# Altium PCB Thermostat.PCBDOC (part 2 of 5) (continued)
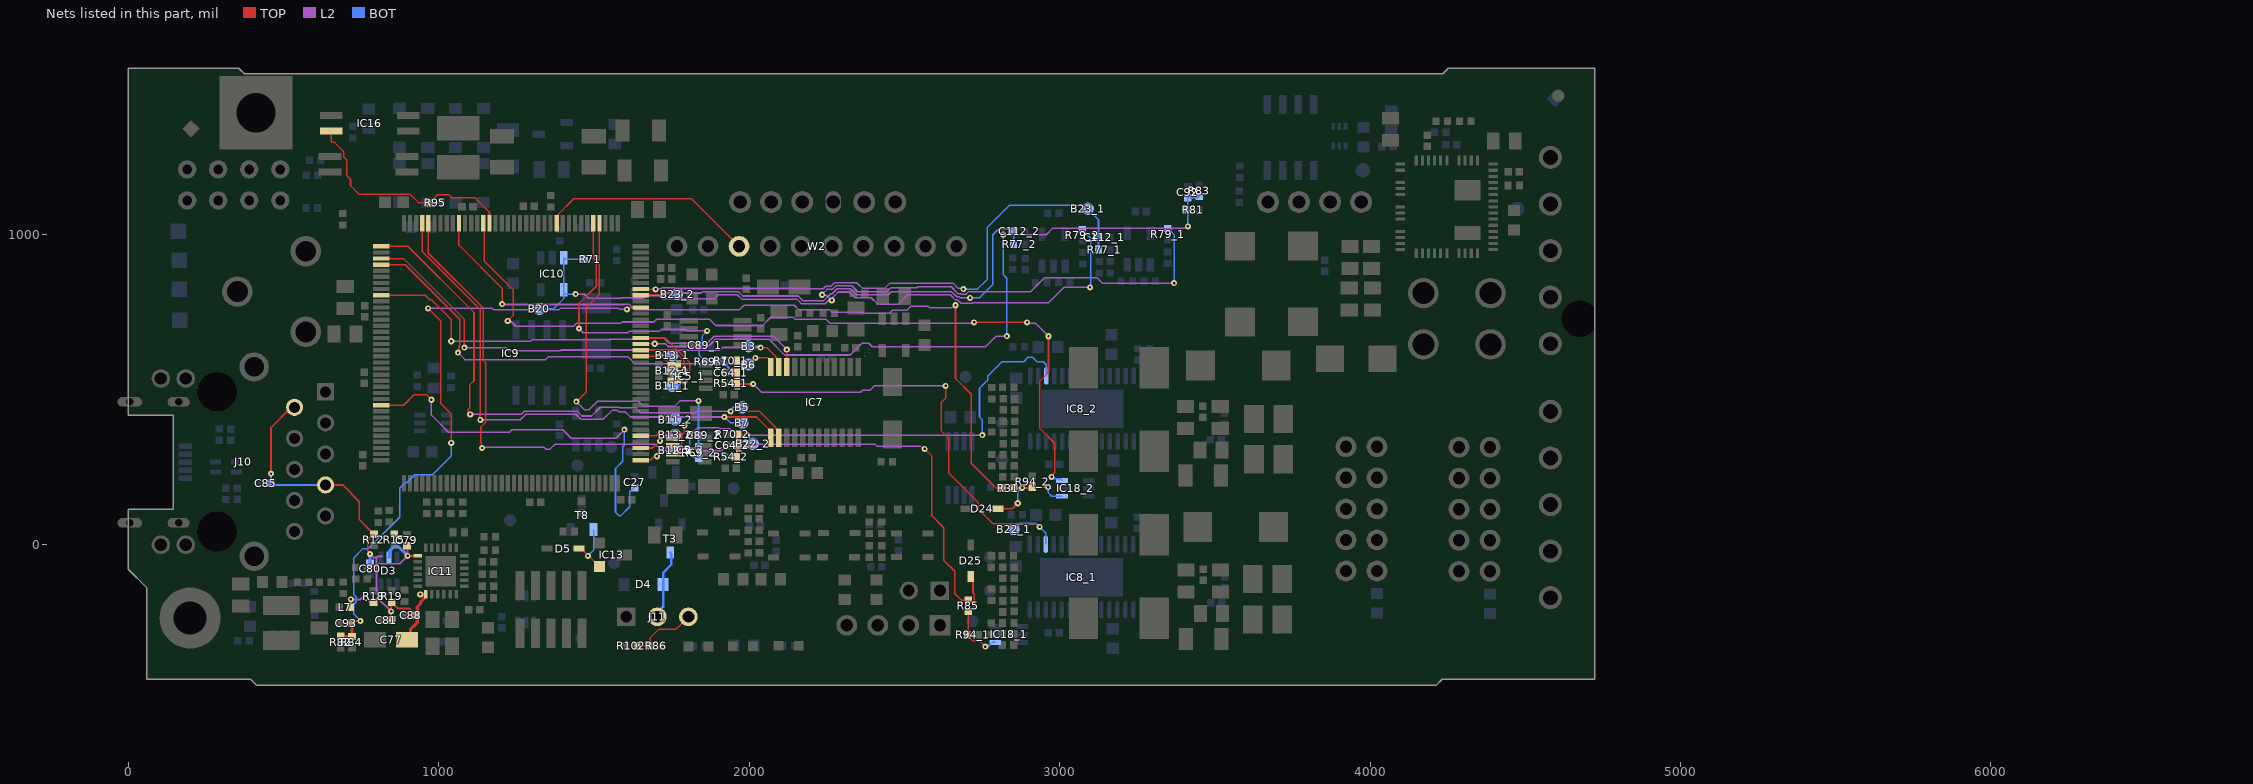
[diagram p4: the nets of this part, all layers, seen from the top]
## Part data (continued)
R73: library part R0603_24K_1%_0.1W_100PPM, "Resistor - 1%", Case=0603, Manufacturer=GENERIC, Manufacturer1 ComponentHeight=0.55mm, Manufacturer1 Example="NIC COMPONENT", Manufacturer1 Part Number=NRC06F2402TRF, Power=0.1W, Tolerance=±1%, Author="CERN DEM JLC", Component Type=Standard, CreateDate=03.12.2007, HelpURL=\\cern.ch\dfs\Applications\Altium\Datasheets\R0603_NIC_NRC.pdf, LatestRevisionDate=13.03.2008, Manufacturer Part Number=R0603_24K_1%_0.1W_100PPM, Mounted=Yes, Part Description="General Purpose Thick Film Chip Resistor", Part Number=R0603_24K_1%_0.1W_100PPM, Pin Count=2, Sense=No, SMD=Yes, Socket=No, Status=Preferred, TC=±100ppm/°C
R76_1 R76_2 R78_1 R78_2 R146: library part R0402_20K_1%_0.0625W_100PPM, "Resistor - 1%", Case=0402, Manufacturer=GENERIC, Manufacturer1 ComponentHeight=0.4mm, Manufacturer1 Example="YAGEO PHYCOMP", Manufacturer1 Part Number=232270672003L, Power=0.0625W, Tolerance=±1%, Author="CERN DEM JLC", Component Type=Standard, CreateDate=03.12.2007, HelpURL=\\cern.ch\dfs\Applications\Altium\Datasheets\R0402_Phycomp_RC0402.pdf, LatestRevisionDate=17.10.2012, Manufacturer Part Number=R0402_20K_1%_0.0625W_100PPM, Mounted=Yes, Part Description="General Purpose Thick Film Chip Resistor", Part Number=R0402_20K_1%_0.0625W_100PPM, Pin Count=2, PressFit=No, Sense=No, SMD=Yes, Socket=No, Status="Not Recommended", TC=±100ppm/°C
R89 R93: library part R0402_33K_1%_0.0625W_100PPM, "Resistor - 1%", Case=0402, Manufacturer=GENERIC, Manufacturer1 ComponentHeight=0.4mm, Manufacturer1 Example="YAGEO PHYCOMP", Manufacturer1 Part Number=232270673303L, Power=0.0625W, Tolerance=±1%, Author="CERN DEM JLC", Component Type=Standard, CreateDate=03.12.2007, HelpURL=\\cern.ch\dfs\Applications\Altium\Datasheets\R0402_Phycomp_RC0402.pdf, LatestRevisionDate=17.10.2012, Manufacturer Part Number=R0402_33K_1%_0.0625W_100PPM, Mounted=Yes, Part Description="General Purpose Thick Film Chip Resistor", Part Number=R0402_33K_1%_0.0625W_100PPM, Pin Count=2, PressFit=No, Sense=No, SMD=Yes, Socket=No, Status="Not Recommended", TC=±100ppm/°C
R94_1 R94_2: library part R0402_200K_1%_0.0625W_100PPM, "Resistor - 1%", Case=0402, Manufacturer=GENERIC, Manufacturer1 ComponentHeight=0.4mm, Manufacturer1 Example="YAGEO PHYCOMP", Manufacturer1 Part Number=232270672004L, Power=0.0625W, Tolerance=±1%, Author="CERN DEM JLC", Component Type=Standard, CreateDate=03.12.2007, HelpURL=\\cern.ch\dfs\Applications\Altium\Datasheets\R0402_Phycomp_RC0402.pdf, LatestRevisionDate=17.10.2012, Manufacturer Part Number=R0402_200K_1%_0.0625W_100PPM, Mounted=Yes, Part Description="General Purpose Thick Film Chip Resistor", Part Number=R0402_200K_1%_0.0625W_100PPM, Pin Count=2, PressFit=No, Sense=No, SMD=Yes, Socket=No, Status="Not Recommended", TC=±100ppm/°C
R104: library part R0402_10k_1%_0.0625W_100PPM, "Resistor - 1%", Case=0402, Manufacturer=GENERIC, Manufacturer1 ComponentHeight=0.4mm, Manufacturer1 Example="YAGEO PHYCOMP", Manufacturer1 Part Number=232270671003L, Manufacturer Part Number=R0402_10K_1%_0.0625W_100PPM, Power=0.0625W, Tolerance=±1%, Author="CERN DEM JLC", Component Type=Standard, CreateDate=03.12.2007, HelpURL=\\cern.ch\dfs\Applications\Altium\Datasheets\R0402_Phycomp_RC0402.pdf, LatestRevisionDate=17.10.2012, Mounted=Yes, Part Description="General Purpose Thick Film Chip Resistor", Part Number=R0402_10K_1%_0.0625W_100PPM, Pin Count=2, PressFit=No, Sense=No, SMD=Yes, Socket=No, Status="Not Recommended", TC=±100ppm/°C
R106 R119 R120 R121: library part R0402_2K2_1%_0.0625W_100PPM, "Resistor - 1%", Case=0402, Manufacturer=GENERIC, Manufacturer1 ComponentHeight=0.4mm, Manufacturer1 Example="YAGEO PHYCOMP", Manufacturer1 Part Number=232270672202L, Power=0.0625W, Tolerance=±1%, Author="CERN DEM JLC", Component Type=Standard, CreateDate=03.12.2007, HelpURL=\\cern.ch\dfs\Applications\Altium\Datasheets\R0402_Phycomp_RC0402.pdf, LatestRevisionDate=17.10.2012, Manufacturer Part Number=R0402_2K2_1%_0.0625W_100PPM, Mounted=Yes, Part Description="General Purpose Thick Film Chip Resistor", Part Number=R0402_2K2_1%_0.0625W_100PPM, Pin Count=2, Sense=No, SMD=Yes, Socket=No, Status="Not recommended", TC=±100ppm/°C
R107_1 R107_2: library part R0402_0R_JUMPER, "Resistor", Case=0402, Manufacturer=GENERIC, Manufacturer1 ComponentHeight=0.4mm, Manufacturer1 Example="YAGEO PHYCOMP", Manufacturer1 Part Number=232270591001L, Author="CERN DEM JLC", Component Type=Standard, CreateDate=03.12.2007, HelpURL=\\cern.ch\dfs\Applications\Altium\Datasheets\R0402_Phycomp_RC0402.pdf, LatestRevisionDate=17.10.2012, Manufacturer Part Number=R0402_0R_JUMPER, Mounted=Yes, Part Description="1A (0.05R Max DC Resistance) Zero Ohm Jumper", Part Number=R0402_0R_JUMPER, Pin Count=2, PressFit=No, Sense=No, SMD=Yes, Socket=No, Status="Not Recommended"
R109 R110: library part R0603_0R_JUMPER, "Resistor", Case=0603, Manufacturer=GENERIC, Manufacturer1 ComponentHeight=0.55mm, Manufacturer1 Example="NIC COMPONENT", Manufacturer1 Part Number=NRC06Z0, Author="CERN DEM JLC", Component Type=Standard, CreateDate=03.12.2007, HelpURL=\\cern.ch\dfs\Applications\Altium\Datasheets\R0603_NIC_NRC.pdf, LatestRevisionDate=13.03.2008, Manufacturer Part Number=R0603_0R_JUMPER, Mounted=Yes, Part Description="1A (0.05R Max DC Resistance) Zero Ohm Jumper", Part Number=R0603_0R_JUMPER, Pin Count=2, PressFit=No, Sense=No, SMD=Yes, Socket=No, Status=Preferred
R135: library part R0603_1M_1%_0.1W_100PPM, "Resistor - 1%", Case=0603, Manufacturer=GENERIC, Manufacturer1 ComponentHeight=0.55mm, Manufacturer1 Example="NIC COMPONENT", Manufacturer1 Part Number=NRC06F1004TRF, Power=0.1W, Tolerance=±1%, Author="CERN DEM JLC", Component Type=Standard, CreateDate=03.12.2007, HelpURL=\\cern.ch\dfs\Applications\Altium\Datasheets\R0603_NIC_NRC.pdf, LatestRevisionDate=13.03.2008, Manufacturer Part Number=R0603_1M_1%_0.1W_100PPM, Mounted=Yes, Part Description="General Purpose Thick Film Chip Resistor", Part Number=R0603_1M_1%_0.1W_100PPM, Pin Count=2, PressFit=No, Sense=No, SMD=Yes, Socket=No, Status=Preferred, TC=±100ppm/°C
R166: library part R0805_10R_1%_0.125W_200PPM, "Resistor - 1%", Case=0805, Manufacturer=GENERIC, Manufacturer1 ComponentHeight=0.6mm, Manufacturer1 Example="NIC COMPONENT", Manufacturer1 Part Number=NRC10F10R0TRF, Power=0.125W, Tolerance=±1%, Author="CERN DEM JLC", Component Type=Standard, CreateDate=03.12.2007, HelpURL=\\cern.ch\dfs\Applications\Altium\Datasheets\R0805_NIC_NRC.pdf, LatestRevisionDate=24.06.2009, Manufacturer Part Number=R0805_10R_1%_0.125W_200PPM, Mounted=Yes, Part Description="General Purpose Thick Film Chip Resistor", Part Number=R0805_10R_1%_0.125W_200PPM, Pin Count=2, PressFit=No, Sense=No, SMD=Yes, Socket=No, Status=Preferred, TC=±200ppm/°C
R168: library part R0603_220R_1%_0.1W_100PPM, "Resistor - 1%", Case=0603, Manufacturer=GENERIC, Manufacturer1 ComponentHeight=0.55mm, Manufacturer1 Example="NIC COMPONENT", Manufacturer1 Part Number=NRC06F2200TRF, Power=0.1W, Tolerance=±1%, Author="CERN DEM JLC", Component Type=Standard, CreateDate=03.12.2007, HelpURL=\\cern.ch\dfs\Applications\Altium\Datasheets\R0603_NIC_NRC.pdf, LatestRevisionDate=13.03.2008, Manufacturer Part Number=R0603_220R_1%_0.1W_100PPM, Mounted=Yes, Part Description="General Purpose Thick Film Chip Resistor", Part Number=R0603_220R_1%_0.1W_100PPM, Pin Count=2, Sense=No, SMD=Yes, Socket=No, Status=Preferred, TC=±100ppm/°C
SCREW1 SCREW2: library part "Screw_#6 x 3/8”", "100pcs of #6 x 3/8” TTT - thread rolling, steel screws with a #4 flat head phillips drive", Manufacturer=HAMMOND, Manufacturer Part Number="1455MS100BK (100pcs)", Part Number=HAMMOND_1455MS100BK_v, Author=GK, Component Type=Mechanical, ComponentHeight=11.1mm, CreateDate=26.06.2013, HelpURL=\\cern.ch\dfs\Applications\Altium\Datasheets\BOSSARD_BN5687-3061616.pdf, LatestRevisionDate=26.06.2013, Mounted=Yes, PackageDescription="#6 x 3/8” TTT - thread rolling, steel screws with a #4 flat head phillips drive", Part Description="#6 x 3/8” TTT - thread rolling, steel screws with a #4 flat head phillips drive", Pin Count=0, PressFit=No, Sense=No, SMD=No, Socket=No, Status=None
ST2: library part SCHROFF_PANEL_3U_4HP_Thermostat, "Schroff 3HP 4U EUROCARD Panel", Manufacturer=Schroff, Manufacturer Part Number=20818-017, Manufacturer Part Number 2=20848-664
T1: "-30V -19.7A P-Channel MOSFET", Case=SOIC8, Manufacturer="VISHAY SILICONIX", Author="CERN DEM MR", Bonding=No, ComponentHeight=1.75mm, Component Type=Standard, CreateDate=05/10/2016, Device=SI4425DDY-T1-GE3, HelpURL=\\cern.ch\dfs\Applications\Altium\Datasheets\SI4425DDY-T1-GE3.pdf, LatestRevisionDate=05/10/2016, Manufacturer Part Number=SI4425DDY-T1-GE3, Mounted=Yes, PackageDescription="SOIC 8, Pitch 1.27mm - Body 4x5mm, IPC Medium Density", Part Description="-30V -19.7A P-Channel MOSFET", Part Number=SI4425DDY-T1-GE3, Pin Count=8, PressFit=No, Sense=No, SMD=Yes, Socket=No
T2: "45V, 100mA PNP General Purpose Double Transistor", Case=SOT666, Manufacturer="NXP SEMICONDUCTORS", Author="CERN DEM JLC", Bonding=No, ComponentHeight=0.6mm, Component Type=Standard, CreateDate=01/12/2011, Device=BC857BV, HelpURL=\\cern.ch\dfs\Applications\Altium\Datasheets\BC857BV.pdf, LatestRevisionDate=01/12/2011, Manufacturer Part Number=BC857BV, Mounted=Yes, PackageDescription="SOTFL (SOT666), 0.50mm, Pitch; 6 Pin, 1.20mm W X 1.60mm L X 0.60mm H Body, IPC Medium Density", Part Description="-45V -100mA PNP General Purpose Double Transistor", Part Number=BC857BV, Pin Count=6, PressFit=No, Sense=No, SMD=Yes, Socket=No
T3: "50V, 180mA P-Channel Trench MOSFET", Case=SOT23-3, Manufacturer="NXP SEMICONDUCTORS", Author="CERN DEM JLC", Bonding=No, Component Type=Standard, ComponentHeight=1.1mm, CreateDate=16.04.2015, Device=BSS84AK, HelpURL=\\cern.ch\dfs\Applications\Altium\Datasheets\BSS84AK.pdf, LatestRevisionDate=16.04.2015, Manufacturer Part Number=BSS84AK, Mounted=Yes, PackageDescription="SOT23, 0.95mm Pitch; 3 Pin, 1.30mm W X 2.90mm L X 1.10mm H body, IPC Medium Density", Part Description="50V, 180mA P-channel Trench MOSFET Transistor", Part Number=BSS84AK, Pin Count=3, PressFit=No, Sense=No, SMD=Yes, Socket=No
T4 T7 T8: "N-CHANNEL MOSFET WITH DIODE", Case=SOT23-3, Manufacturer="ON SEMICONDUCTOR", Bonding=No, Component Type=Standard, Mounted=Yes, Pin Count=3, PressFit=No, Sense=No, SMD=Yes, Socket=No
  T4 T8: Author="CERN DEM JLC", ComponentHeight=1.11mm, CreateDate=23.03.2009, Device=BSS138LT1G, HelpURL=\\cern.ch\dfs\Applications\Altium\Datasheets\BSS138LT1G.pdf, LatestRevisionDate=23.03.2009, Manufacturer Part Number=BSS138LT1G, PackageDescription="SOT23 3-Leads, Pitch 0.95mm - Body 1.4x3mm, IPC Medium Density", Part Description="50V 200mA N-Channel Enhancement Mode Field-Effect Transistor", Part Number=BSS138LT1G
  T7: Author="CERN DEM BC", ComponentHeight=1.12mm, ComponentLink1Description="Package Drawing", ComponentLink1URL=\\cern.ch\dfs\Applications\Altium\Datasheets\FDN86246_Package.pdf, CreateDate=10.10.2019, Device=FDN86246, HelpURL=\\cern.ch\dfs\Applications\Altium\Datasheets\FDN86246.pdf, LatestRevisionDate=10.10.2019, Manufacturer Part Number=FDN86246, PackageDescription="SOT, 0.95mm, pitch; 3 pin,1.30mm W X 2.92mm L X 1.12mm H body, IPC Medium Density", Part Description="150V 1.6A N-Channel Power Trench® MOSFET", Part Number=FDN86246
TP1 TP2: "Testpoint"
TP7 TP10 TP11 TP17: library part SMD_PAD_1.27X1.27MM, Author="CERN DEM JLC", ComponentHeight=0mm, Component Type="Standard (No BOM)", CreateDate=12.01.2008, Family="Test Point", HelpURL=Undefined, LatestRevisionDate=12.01.2008, Mounted=No, PackageDescription="1.27mm x 1.27mm PCB Copper Area (SMD Test Point)", Part Description="1.27mm x 1.27mm PCB Copper Area (SMD Test Point)", Part Number=SMD_PAD_1.27X1.27MM, Pin Count=1, Sense=No, SMD=Yes, Socket=No, Status=None
W1: library part SAMTEC_HTSW-104-23-L-S, "4 Mini Wire-Wrap Contact Strip Header", Manufacturer=SAMTEC, Manufacturer Part Number=HTSW-104-23-L-S, Author="CERN DEM JLC", ComponentHeight=8.38mm, Component Type=Standard, CreateDate=22/02/2018, Family="Header 4", HelpURL=\\cern.ch\dfs\Applications\Altium\Datasheets\SAMTEC_HTSW-104-23-L-S.pdf, LatestRevisionDate=22/02/2018, Mounted=Yes, Part Description="4 Contacts, Pitch 2.54mm, Single Row  Through Mount Straight Header (Post Lead 5.84mm, Tail Lead 2.92mm, Insulator 2.54mm)", Part Number=SAMTEC_HTSW-104-23-L-S, Pin Count=4, PressFit=No, Sense=No, SMD=No, Socket=No, Status=Preferred, Status Comment="High Temperature"
W2: library part SAMTEC_MTLW-110-07-L-S-250, "10 Mini Wire-Wrap Contact Strip Header", Manufacturer=SAMTEC, Manufacturer Part Number=MTLW-110-07-L-S-250, Author="CERN DEM JLC", ComponentHeight=7.87mm, Component Type=Standard, CreateDate=01.11.2017, Family="Header 10", HelpURL=\\cern.ch\dfs\Applications\Altium\Datasheets\SAMTEC_MTLW-110-07-L-S-250.pdf, LatestRevisionDate=01.11.2017, Mounted=Yes, Part Description="10 Contacts, Pitch 2.54mm, Single Row Through Mount Straight Header (Post Lead = 6.35mm, Tail Lead 3.05mm, Insulator 1.52mm)", Part Number=SAMTEC_MTLW-110-07-L-S-250, Pin Count=10, PressFit=No, Sense=No, SMD=No, Socket=No, Status=None
NT1 NT2 NT3: Author="CERN DEM JLC", ComponentHeight=0mm, Component Type="Net Tie", CreateDate=22.03.2011, Family="Net Tie", HelpURL=Undefined, LatestRevisionDate=22.03.2011, Mounted=No, PackageDescription="2 Plated Through Hole For Coaxial Cable Link: Hole Dia.=1.4mm Pad Dia.=2.5mm", Part Description="Net Tie (2 Nets)", Part Number="Net Tie", Pin Count=2, Sense=No, SMD=No, Socket=No, Status=None

## Via types
v1: diameter 19.68, hole 7.87, TOP to BOT, tented both sides, 555 vias
v2: diameter 23.62, hole 11.81, TOP to BOT, tented both sides, 72 vias
v3: diameter 23.62, hole 15.75, TOP to BOT, tented both sides, 63 vias
v4: diameter 25.98, hole 12.99, TOP to BOT, tented both sides, 5 vias

## Nets (pads, with @x,y where several pads share a name; then routed paths per layer and width w, separated by ;. In a path a pad name is that pad's centre, name@x,y a point inside that pad or via, vN(x,y) a via of type N, cw(c..) or ccw(c..) an arc to the next point about the centre after c; other vN are vias at no path point)
\S\H\D\N\0: IC9.63 R31.2 | length 2479.8
  TOP w5: IC9.63@1064.96,1035.43 1064.96,965.45 1203.86,826.55 1203.86,776.04 v1@1203.13,775.32 ; v1(2664.5,771.71) 2664.5,535.74 2715.24,485 2715.24,263.05 2786.39,191.9 ; 2786.42,191.93 2795.28,183.07 R31.2@2815.16,183.07
  L2 w5: v1(1203.86,775.32) 1205.01,774.16 1597.39,774.16 1598.82,775.59 1613.18,775.59 1630.8,757.97 1969.89,757.97 1983.51,771.59 2145.42,771.59 2160.15,756.85 2259.86,756.85 2267.64,749.08 2364.56,749.08 2367.55,746.09 2452.41,746.09 2461.9,755.59 2508.47,755.59 2521.47,768.59 2576.33,768.59 2580.7,764.21 2653.03,764.21 2659.9,771.08 v1@2664.46,771.08
\S\H\D\N\0R: D24.2 IC18_2.1 R31.1 R94_2.1 | length 347.4
  TOP w5: D24.2@2801.18,116.14 2847.44,116.14 v1(2865.16,133.86) ; R31.1@2852.17,183.07 R94_2.1@2910.97,183.07 ; v1(2878.94,184.06) 2910.97,184.06 R94_2.1@2912.09,185.18 2912.94,186.02 v1(2962.72,186.02)
  BOT w5: v1(2865.16,133.86) 2865.16,170.28 v1(2878.94,184.06) ; v1@2970.48,182.24 2966.7,186.02 v1(2962.72,186.02) 2962.72,168.35 2974.42,156.65 IC18_2.1@3007.69,156.65
\S\H\D\N\1: IC9.68 R85.2 | length 2825.1
  TOP w5: IC9.68@966.54,1035.43 966.54,939.16 1143.92,761.78 1143.92,593.06 1151.26,585.72 1151.26,395.42 1135.67,379.84 1135.67,328.48 1136.95,327.21 1136.95,314.82 v1(1139.76,312.01) ; v1(2565,309.24) 2588.42,285.83 2588.42,93.87 2626.97,55.31 2626.97,-50.15 2662.22,-85.39 2662.22,-157.29 2682.79,-177.86 R85.2@2705.71,-177.86
  L2 w5: v1(1139.76,312.01) 1142.42,314.67 1338.08,314.67 1344.26,308.48 1358.63,308.48 1373.65,323.5 1699.21,323.5 1709.94,312.77 1838.97,312.77 1847.84,303.9 1912.18,303.9 1932.87,324.59 2405.18,324.59 2411.45,318.32 2551.95,318.32 2561.03,309.24 v1(2565,309.24)
\S\H\D\N\1R: D25.2 IC18_1.1 R85.1 R94_1.1 | length 310.1
  TOP w5: D25.2@2713.52,-102.17 2720.86,-109.51 2720.86,-154.39 2725.41,-158.94 2725.41,-195.95 2706.5,-214.87 R85.1@2705.71,-214.87 2705.71,-294.89 2719.14,-308.33 2722.71,-308.33 2723.84,-309.46 2742.23,-309.46 v1(2760.66,-327.89)
  BOT w5: v1@2763,-326.76 2764.67,-325.08 2771.26,-325.08 2782.18,-314.17 IC18_1.1@2793,-314.17
ADC3_IN6: C92.1 IC9.20 R81.1 R83.1 | length 2317
  TOP w5: IC9.20@1650.59,646.65 1651.08,647.14 1695.36,647.14 v1(1695.85,647.64)
  L2 w5: v1(1695.85,647.64) 1729.72,647.64 1738.36,639 1868.41,639 1891.44,662.03 2063.45,662.03 2113.88,611.59 2325.32,611.59 2363.31,649.59 2385.4,649.59 2396.54,638.45 2760.8,638.45 2794.59,672.24 v1(2829.91,672.24) ; v1(2818.38,999.06) 2956.44,999.06 2976.6,1019.22 3406.48,1019.22 v1(3413.02,1025.76)
  BOT w5: v1(2818.38,999.06) 2818.38,870.59 2829.91,859.06 v1(2829.91,672.24) ; v1(3413.02,1025.76) 3413.02,1078.32 R81.1@3412.6,1078.74 3412.6,1116.78 C92.1@3411.96,1117.42 3445.01,1117.42 R83.1@3449.61,1122.02
ADC3_IN10: C93.1 IC9.26 R82.2 R84.1 | length 2035.5
  TOP w5: C93.1@719.49,-251.97 726.18,-245.28 v1(747.64,-245.28) ; v1(965.55,761.87) 1007.05,720.37 1007.05,454.81 1040.12,421.74 v1(1040.12,328.65) ; v1(1606,758.24) 1607.22,758.24 1612.29,763.32 1649.14,763.32 IC9.26@1650.59,764.76
  TOP w10: R82.2@684.05,-294.49 684.55,-294.98 R84.1@719.98,-294.98 ; C93.1@719.49,-251.97 719.98,-252.46 R84.1@719.98,-294.98 ; R84.1@719.98,-294.98 R84.1@720.47,-295.47 R84.1@719.98,-294.98
  L2 w5: v1(965.55,761.87) 1171.24,761.87 1175.14,757.97 1387.46,757.97 1392.07,762.59 1578.18,762.59 1582.53,758.24 v1(1606,758.24)
  BOT w5: v1(747.64,-245.28) 747.64,-244.43 726,-222.79 726,-191.37 734.46,-182.91 734.46,-168.54 726,-160.08 726,-42.07 755.91,-12.16 773.27,-12.16 874.25,88.81 874.25,182.59 891.73,200.08 896.75,200.08 922.44,225.77 979.71,225.77 1040.12,286.17 v1(1040.12,328.65)
ADC3_IN12: B23_2.1 C112_2.2 IC9.28 R77_2.2 | length 1527
  TOP w5: IC9.28@1650.59,804.13 1651.95,805.49 1719.88,805.49 1725.64,811.24 v1(1726,811.24)
  L2 w5: v1(1726,811.24) 1845.41,811.24 1849.83,815.66 1965.62,815.66 1979.7,801.59 2157.85,801.59 2172.58,786.85 2240.69,786.85 2262.56,808.73 2267.62,808.73 2283.44,824.55 2326.37,824.55 2345.34,805.59 2447.82,805.59 2457.82,815.59 2651.83,815.59 2668.36,799.06 2675.83,799.06 2679.61,795.28 v1(2711.61,795.28)
  BOT w5: v1(1726,811.24) 1727.91,809.34 1765.61,809.34 B23_2.1@1767.52,807.43 ; v1(2711.61,795.28) 2741.14,795.28 2784.49,838.62 2784.49,999.06 2801.83,1016.41 2844.82,1016.41 2852.36,1008.86 2852.36,969.29 R77_2.2@2851.57,968.5
ADC3_IN13: B23_1.1 C112_1.2 IC9.29 R77_1.2 | length 1835.8
  TOP w5: IC9.29@1650.59,823.82 1651.08,823.33 1698.28,823.33 v1(1698.78,822.83)
  L2 w5: v1(1698.78,822.83) 1701.59,825.64 1715.87,825.64 1718.82,828.59 1758.51,828.59 1761.44,825.66 2193.43,825.66 2194.54,824.55 2213.52,824.55 2213.87,824.9 2238.7,824.9 2246.67,832.87 2263.48,832.87 2275.16,844.55 2346.32,844.55 2365,825.87 2436.17,825.87 2453.67,843.37 2656.14,843.37 2672.82,826.69 2687.28,826.69 v1(2690.09,823.88)
  BOT w5: v1(2690.09,823.88) 2735.59,823.88 2766.73,855.02 2766.73,1022.64 2837.6,1093.51 2978.59,1093.51 2983.4,1093.5 3078.81,1093.51 3125.2,1047.12 3125.2,1025.76 R77_1.2@3125.2,950.79
ADC_CSn: B5.1 IC7.14 IC9.73 | length 1847.4
  TOP w5: IC9.73@813.98,961.61 900.11,961.61 1113.46,748.26 1113.46,528.64 1099.4,514.58 1099.4,440.29 1094.4,435.28 1094.4,423.25 1094.53,423.25 1097.46,420.32 v1(1101.43,420.32) ; v1(1940,430.12) 2033.52,430.12 2086.3,377.33 2086.3,374.6 2095.53,365.37 IC7.14@2095.53,344.7
  L2 w5: v1(1101.43,420.32) 1266.38,420.32 1277.1,431.04 1445.1,431.04 1461.17,414.97 1492.11,414.97 1520.31,443.17 1580.11,443.17 1582.23,441.04 1635.6,441.04 1650.87,425.78 1826.21,425.78 1830.55,430.12 v1(1940,430.12)
  BOT w5: v1@1938.98,433.07 1942.81,436.9 1948.82,442.91 B5.1@1978.35,442.91
ADC_DIN: B6.1 IC7.12 IC9.76 | length 1520.1
  TOP w5: IC9.76@813.98,902.56 891.81,902.56 1067.46,726.91 1067.46,644.32 1065.43,642.29 1065.43,632.98 1064.87,632.42 1064.87,621.91 v1(1062.06,619.1) ; v1(2019.78,602.41) 2059.25,602.41 2060.18,603.35 2069.94,593.59 IC7.12@2069.94,573.05
  L2 w5: v1@1062.06,617.77 1063.39,617.77 1084.33,596.83 1344.23,596.83 1352.77,605.37 1480.74,605.37 1481.25,605.88 1609.21,605.88 1632.2,582.89 2000.26,582.89 2019.62,602.25 2019.95,602.25 v1(2019.78,602.41)
  BOT w5: B6.1@2005.91,587.6 2005.91,588.56 v1(2019.78,602.41)
ADC_DOUT/RDYn: B3.1 IC7.11 IC9.75 | length 1542.5
  TOP w5: IC9.75@813.98,922.24 886.27,922.24 1082.77,725.74 v1(1082.77,635.11) ; v1(2037,635.51) 2056.48,635.51 2086.3,605.68 2086.3,602.95 2095.53,593.72 IC7.11@2095.53,573.05
  L2 w5: v1(1082.77,635.11) 1216.51,635.11 1226.24,625.37 1391.3,625.37 1393.51,627.58 1729.63,627.58 1729.86,627.34 1905.81,627.34 1914.18,635.72 2036.79,635.72 v1(2037,635.51)
  BOT w5: B3.1@1998.03,639.76 2028.77,639.76 2033.03,635.51 v1(2037,635.51)
ADC_IN9: IC9.47 W2.3 | length 698.2
  TOP w5: IC9.47@1379.92,1035.43 1384.31,1039.82 1384.31,1064.21 1434.78,1114.67 1615.88,1114.67 1615.99,1114.78 1814.35,1114.78 W2.3@1967.52,961.61
ADC_SCLK: B7.1 IC7.13 IC9.69 | length 1783.9
  TOP w5: IC9.69@946.85,1035.43 946.85,944.71 1133.46,758.09 1133.46,415.47 1130.12,412.12 v1@1130.12,408.15 ; v1(1920.28,411.8) 2023.51,411.8 2069.94,365.37 IC7.13@2069.94,344.7
  L2 w5: v1(1133.91,402.6) 1262.8,402.6 1281.24,421.04 1440.96,421.04 1457.03,404.97 1530.24,404.97 1558.44,433.17 1575.97,433.17 1580.16,428.98 1600.13,428.98 1617.3,411.8 v1(1920.28,411.8)
  BOT w5: v1@1919.29,413.39 1938.98,393.7 B7.1@1978.35,393.7
AT_EVENT: IC9.58 IC16.4 R95.1 | length 744.7
  TOP w5: IC16.4@653.54,1333.27 653.54,1299.15 656.47,1296.22 664.14,1296.22 691.79,1268.57 691.79,1267.43 693.52,1265.7 693.52,1249.79 703.52,1239.79 703.52,1190.01 715.71,1177.83 715.71,1157.22 743.38,1129.55 907.63,1129.55 934.82,1102.36 R95.1@970.67,1102.36 970.67,1103.15 979.59,1112.07 980.37,1112.07 995.88,1127.57 1032.72,1127.57 1041.96,1118.33 1116.49,1118.33 1163.39,1071.43 1163.39,1040.35 IC9.58@1165.35,1038.39
AVDDT_PHY: C77.1 C79.1 C80.2 C81.2 C85.2 C88.2 D3.5 IC11.1 IC11.19 J10.4 J10.9 L7.1 R12.2 R15.2 R18.1 R19.1 | length 1891.4
  TOP w6: v1(459.65,229.33) 459.65,377.57 525.19,443.11 J10.9@535.43,443.11 ; J10.4@635.43,193.11 690.42,193.11 744,139.53 744,81.59 R12.2@791.34,34.25 ; L7.1@715.94,-200.79 717.12,-199.62 v1(717.12,-175.72) ; 773.9,-176.43 781.39,-176.43 R18.1@789.8,-184.84 ; v1@775.96,-23.19 771.13,-18.36 771.13,14.83 R12.2@790.55,34.25 ; v1@846.46,-216.33 846.46,-240.16 C81.2@848.43,-242.13 ; v1@846.46,-212.8 846.46,-186.61 R19.1@848.22,-184.84 849.01,-184.84 869.73,-205.56 906.64,-205.56 918.94,-217.87 918.94,-218.16 C88.2@928.15,-227.36 C88.2@930.74,-224.78 ; R15.2@856.64,35.17 857.43,35.17 886.27,6.32 888.43,6.32 C79.1@897.64,-2.88 899.61,-4.85 v1(899.61,-35.43) IC11.19@932.09,-35.43 ; C77.1@897.64,-306.1 900.72,-306.1 C77.1@922.33,-284.5
  TOP w10: C77.1@897.64,-306.1 908.81,-294.93 908.81,-272.35 930.74,-250.43 930.74,-224.78 930.74,-200.16 941.82,-189.07 941.82,-183.38 957.68,-167.52 IC11.1@957.68,-159.45 v1(940.56,-159.45)
  L2 w6: v1(717.12,-175.72) 747.64,-175.72 753.83,-169.53 ; v1(764.8,-171.75) 768.5,-171.75 778.07,-181.31 791.13,-181.31 802.17,-170.28 ; v1(778.58,-29.51) 789.82,-40.75 799.8,-40.75 ; 815.94,-35.01 813.33,-37.63 802.92,-37.63 799.8,-40.75 ; v1(846.46,-214.57) 802.17,-170.28 ; v1(899.61,-35.43) 874.01,-61.03 799.8,-61.03 ; 799.8,-61.03 799.8,-40.75 ; 799.8,-61.03 799.8,-145.19 802.17,-147.55 802.17,-170.28
  BOT w6: v1(459.65,229.33) 459.65,199.98 C85.2@460.8,198.82 466.51,193.11 J10.4@635.43,193.11
  BOT w10: C80.2@778.58,-60.05 v1(778.58,-29.51) ; D3.5@839.35,-40.84 842.22,-37.97 842.22,-18.56 855.2,-5.59 870.4,-5.59 899.61,-34.79 v1(899.61,-35.43)
CLKIO: IC7.10 IC9.81 | length 1503.1
  TOP w5: IC9.81@813.98,804.13 956.33,804.13 971.25,789.21 976.88,789.21 1040.12,725.97 v1(1040.12,655.98) ; v1(2121.06,628.94) 2121.06,573.11 IC7.10@2121.12,573.05
  L2 w5: v1(1040.12,655.98) 1295.5,655.98 1299.58,660.06 1550.99,660.06 1553.83,662.9 1639.14,662.9 1641.21,664.98 1726.51,664.98 1742.5,649 1864.27,649 1887.3,672.03 2077.97,672.03 v1(2121.06,628.94)
CPU_ADC_REF: B20.1 IC10.3 IC10.4 R71.2 R79_1.1 R79_2.1 | length 3717.4
  L2 w5: v1@1433.21,807.43 v1(1440.94,807.43) 1468.75,807.43 1482.01,794.16 1589.11,794.16 1590.53,795.59 1621.47,795.59 1622.89,794.16 1659.72,794.16 1668.21,802.66 1710.06,802.66 1719.35,793.37 1888.38,793.37 1900.67,805.66 1961.48,805.66 1975.56,791.59 2153.71,791.59 2168.44,776.85 2245.22,776.85 v1@2260.8,792.44 ; v1(2234.97,805.66) 2234.97,807.03 2250.81,822.87 2267.62,822.87 2279.3,834.55 2330.52,834.55 2349.48,815.59 2443.67,815.59 2453.67,825.59 2454.44,825.59 2457.19,828.34 2540.51,828.34 2543.26,831.1 2650.46,831.1 2672.5,809.06 2680.39,809.06 2682.91,806.54 2697.28,806.54 2706.61,815.87 2907.04,815.87 2951.24,860.07 3120.32,860.07 3137.17,843.21 v1(3368.63,843.21) ; v1@2268.62,795.59 2287.58,814.55 2322.23,814.55 2341.19,795.59 2392.97,795.59 2412.97,775.59 2480.87,775.59 2510.87,805.59 2647.69,805.59 2664.22,789.06 2671.68,789.06 2682.81,777.93 2718.8,777.93 2720.62,779.76 2964.11,779.76 3013.81,829.47 v1(3097.78,829.47)
  BOT w5: B20.1@1323.82,760.15 1369.81,760.15 1403.13,793.46 IC10.4@1403.13,807.93 ; v1(1440.94,807.43) 1421.93,807.43 1422.44,807.93 IC10.4@1403.13,807.93 ; R71.2@1469.03,920.65 1407.24,920.65 IC10.3@1403.13,924.77 IC10.4@1403.13,822.41 IC10.4@1403.13,807.93 ; v1(2234.97,805.66) 2236.5,804.13 2247.97,804.13 2264.85,787.24 v1(2266,787.24) ; R79_2.1@3072.83,1015.55 3073.62,1015.55 3082.54,1006.63 3082.54,1005.85 3100.39,987.99 3100.39,832.08 v1(3097.78,829.47) ; R79_1.1@3348.43,1019.49 3349.21,1019.49 3358.13,1010.57 3358.13,1009.78 3368.63,999.28 v1(3368.63,843.21)
CPU_RESETn: D5.1 IC13.2 T8.1 | length 181.9
  TOP w5: D5.1@1451.77,-12.21 1459.65,-12.21 1501.42,-53.98 1501.94,-53.98 IC13.2@1517.44,-69.48
  BOT w5: v1(1480.32,-35.43) 1499.06,-16.68 T8.1@1499.06,49.32
CurrentSet_1: B22_1.1 C64_1.1 IC8_1.3 R54_1.1 R69_1.2 R70_1.1 | length 1747.5
  TOP w5: R54_1.1@1952.56,519.69 1952.56,555.12 R70_1.1@1952.56,593.5 ; R54_1.1@1959.32,520.47 1961.72,518.07 v1(2012.85,518.07) ; v1(2632.4,512.06) 2632.4,471.93 2618,457.52 2618,368.24 2642.08,344.17 2642.08,232.28 2737.2,137.15 2737.2,116.04 2785.09,68.16 2925.47,68.16 v1(2935.65,57.94)
  L2 w5: v1(2012.85,518.07) 2039.7,491.22 2357.73,491.22 2364.63,498.13 2388.99,498.13 2402.92,512.06 v1(2632.4,512.06)
  BOT w5: R69_1.2@1896.61,589.88 1914.41,589.88 1986.22,518.07 v1(2012.85,518.07) ; B22_1.1@2851.57,50.73 2869.69,68.85 2924.74,68.85 v1(2935.65,57.94) ; v1@2935.65,57.66 2955.21,38.1 IC8_1.3@2955.21,1.86
CurrentSet_2: B22_2.1 C64_2.1 IC8_2.3 R54_2.1 R69_2.2 R70_2.1 | length 1659
  TOP w5: R54_2.1@1959.53,283.78 R70_2.1@1959.53,356.62 ; R70_2.1@1964.01,356.45 1966.59,353.87 v1(1992.26,353.87)
  L2 w5: v1(1809,352.24) 1809,352.4 1834.42,377.82 1901.45,377.82 1904.81,374.46 1936.98,374.46 1957.75,353.69 2750.64,353.69 v1(2750.98,353.35)
  BOT w5: v1(1809,352.24) 1809,294.51 1821.02,282.49 1834.26,282.49 R69_2.2@1837.8,278.96 ; v1(1992.26,353.87) 2011.24,334.9 B22_2.1@2011.24,325.66 ; v1(2750.98,353.35) 2750.98,402.42 2741.82,411.59 2741.82,504.74 2768.23,531.16 2768.23,544.08 2814.04,589.88 2884.16,589.88 2898.36,604.08 2912.73,604.08 2926.93,589.88 2946.95,589.88 2956.72,580.1 IC8_2.3@2956.72,543.86
DAC0_SCLK: B12_2.1 IC5_2.6 IC9.1 | length 189.7
  TOP w5: IC9.1@1650.59,272.64 1652.68,274.72 1684.67,274.72 1722.48,312.54 1747.58,312.54 IC5_2.6@1753.94,318.9
  BOT w5: v1(1702.75,285.43) 1722.44,305.12 B12_2.1@1761.81,305.12
DAC0_SDIN: B11_2.1 IC5_2.7 IC9.5 | length 296.1
  TOP w5: IC9.5@1650.59,351.38 1700.22,351.38 1704.17,355.33 1707.41,355.33 1712.92,360.85 1778.7,360.85 1783.09,356.45 1783.09,354.33 ; IC5_2.7@1753.94,293.31 1760.3,299.67 1775.82,299.67 1783.09,306.93 1783.09,354.33 ; v1(1791.34,383.86) 1791.34,362.58 1783.09,354.33
  BOT w5: B11_2.1@1761.81,403.54 1761.81,398.47 1776.43,383.86 v1(1791.34,383.86)
DAC0_SYNCn: B13_2.1 IC5_2.5 IC9.3 | length 174.2
  TOP w5: IC9.3@1650.59,312.01 1689.47,312.01 1721.95,344.49 IC5_2.5@1753.94,344.49
  BOT w5: v1(1712.6,334.65) 1732.28,354.33 B13_2.1@1761.81,354.33
DAC1_SCLK: B12_1.1 IC5_1.6 IC9.19 | length 259.6
  TOP w5: IC9.19@1650.59,626.97 1651.2,627.58 1754.31,627.58 1780.4,601.49 ; IC5_1.6@1757.87,555.12 1763.78,561.02 v1(1791.34,561.02) 1791.34,590.55 1781.5,600.39
  BOT w5: B12_1.1@1751.97,561.02 v1(1791.34,561.02)
DAC1_SDIN: B11_1.1 IC5_1.7 IC9.21 | length 337
  TOP w5: IC9.21@1650.59,666.34 1729.69,666.34 1808.68,587.35 1808.68,538.6 1799.61,529.53 1798.5,529.53 1798.12,529.15 1787.41,529.15 1787.03,529.53 IC5_1.7@1757.87,529.53 IC5_1.7@1764.23,535.89
  BOT w5: B11_1.1@1751.97,511.81 1756.35,516.19 1776.03,516.19 1781.5,521.65
  other v1: 1791.34,526.34
DAC1_SYNCn: B13_1.1 IC5_1.5 IC9.18 | length 161.9
  TOP w5: IC9.18@1650.59,607.28 v1@1718.5,607.28 ; v1@1719,606.79 1745.08,580.71 IC5_1.5@1757.87,580.71
  BOT w5: v1(1712.6,610.23) B13_1.1@1751.97,610.24 B13_1.1@1756.92,610.24
DAC_FB0: C89_2.1 IC9.40 R69_2.1 | length 1184.3
  TOP w5: v1(1443.4,461.17) 1475.68,493.45 1475.68,765.17 1517.38,806.86 1517.38,1035.1 IC9.40@1517.72,1035.43
  L2 w5: v1(1443.4,461.17) 1443.4,461.02 1469.46,434.97 1483.82,434.97 1512.03,463.17 1588.39,463.17 1589.05,462.51 1642.42,462.51 1659.15,445.78 1759.15,445.78 1777,463.63 v1(1836.7,463.63)
  BOT w5: v1(1836.7,463.63) 1836.7,315.07 R69_2.1@1836.81,314.96
DAC_FB1: C89_1.1 IC9.41 R69_1.1 | length 908.3
  TOP w5: v1(1451.77,696.88) 1451.77,777.38 1507.38,832.99 1507.38,915.66 1498.03,925.01 IC9.41@1498.03,1035.43
  L2 w5: v1(1451.77,696.88) 1465.75,682.9 1609.18,682.9 1613.8,687.52 1711.09,687.52 1717.25,693.68 1795.25,693.68 1799.9,689.03 v1(1864.26,689.03)
  BOT w5: R69_1.1@1859.61,589.88 1859.61,590.67 1850.69,599.59 1849.9,599.59 1839.57,609.92 C89_1.1@1839.57,642.72 1849.27,652.42 1849.27,674.04 v1(1864.26,689.03)
FAN+12: D4.1 J11.2 T3.3 | length 226.5
  BOT w8: J11.2@1704,-231.76 1704,-217.68 1722.7,-198.99 D4.1@1722.7,-127.44 1722.7,-90.11 1749.02,-63.79 1749.02,-28.03 T3.3@1746.06,-25.08
FAN_PWM: C27.1 IC9.99 | length 1315.5
  TOP w5: IC9.99@813.98,449.8 886.94,449.8 920.24,483.11 960.69,483.11 v1(976.35,467.45)
  L2 w5: v1(976.35,467.45) 976.35,418.24 1031.57,363.01 1227.6,363.01 1235.28,370.69 1399.74,370.69 1426.92,343.5 1570.52,343.5 v1(1598.08,371.06)
  BOT w5: v1(1598.08,371.06) 1598.08,320.92 1592.93,315.76 1592.93,269.59 1569.27,245.93 1569.27,105.38 1581.35,93.3 1585.49,93.3 1615.15,122.95 1615.15,170.74 1631.85,187.44 C27.1@1631.85,188.43
FAN_T: J11.3 R86.2 R102.2 | length 220.3
  TOP w5: R102.2@1638,-325.76 1638.95,-324.8 R86.2@1681.72,-324.8 1681.72,-298.58 1707.94,-272.35 1763.4,-272.35 J11.3@1804,-231.76
Freq0: IC9.59 IC18_2.3 | length 2694.7
  TOP w5: IC9.59@1143.7,1035.43 1146.81,1032.32 1146.81,914.1 1239.32,821.59 1239.32,738.61 v1(1222.17,721.46) ; v1(2724.35,716.61) v1(2895,716.61) ; v1(2964.11,672.03) 2964.11,555.04 2935.44,526.38 2935.44,417.75 2936,417.19 2936,404 2935.44,403.45 2935.44,376.04 2984.28,327.2 2984.28,232.86 2974.25,222.83 v1(2974.25,218.86)
  L2 w5: v1(1222.17,721.46) 1224.98,718.65 1233.12,718.65 1247.87,703.9 1434.27,703.9 1444.59,714.22 1586.86,714.22 1590.45,717.81 1692.32,717.81 1701.56,727.04 1871.94,727.04 1892.46,706.53 2042.85,706.53 2069.74,733.42 2141.16,733.42 2147.73,726.85 2247.44,726.85 2260.39,713.9 2721.64,713.9 v1(2724.35,716.61) ; v1(2895,716.61) 2897.81,713.8 2922.33,713.8 v1(2964.11,672.03)
  BOT w5: v1(2974.25,218.86) 2976.85,218.86 2982.5,213.21 3002.32,213.21 IC18_2.3@3007.69,207.83